# Altium PCB HEXIWEAR_MainBoard_v106.PcbDoc (part 1 of 3) (continued)
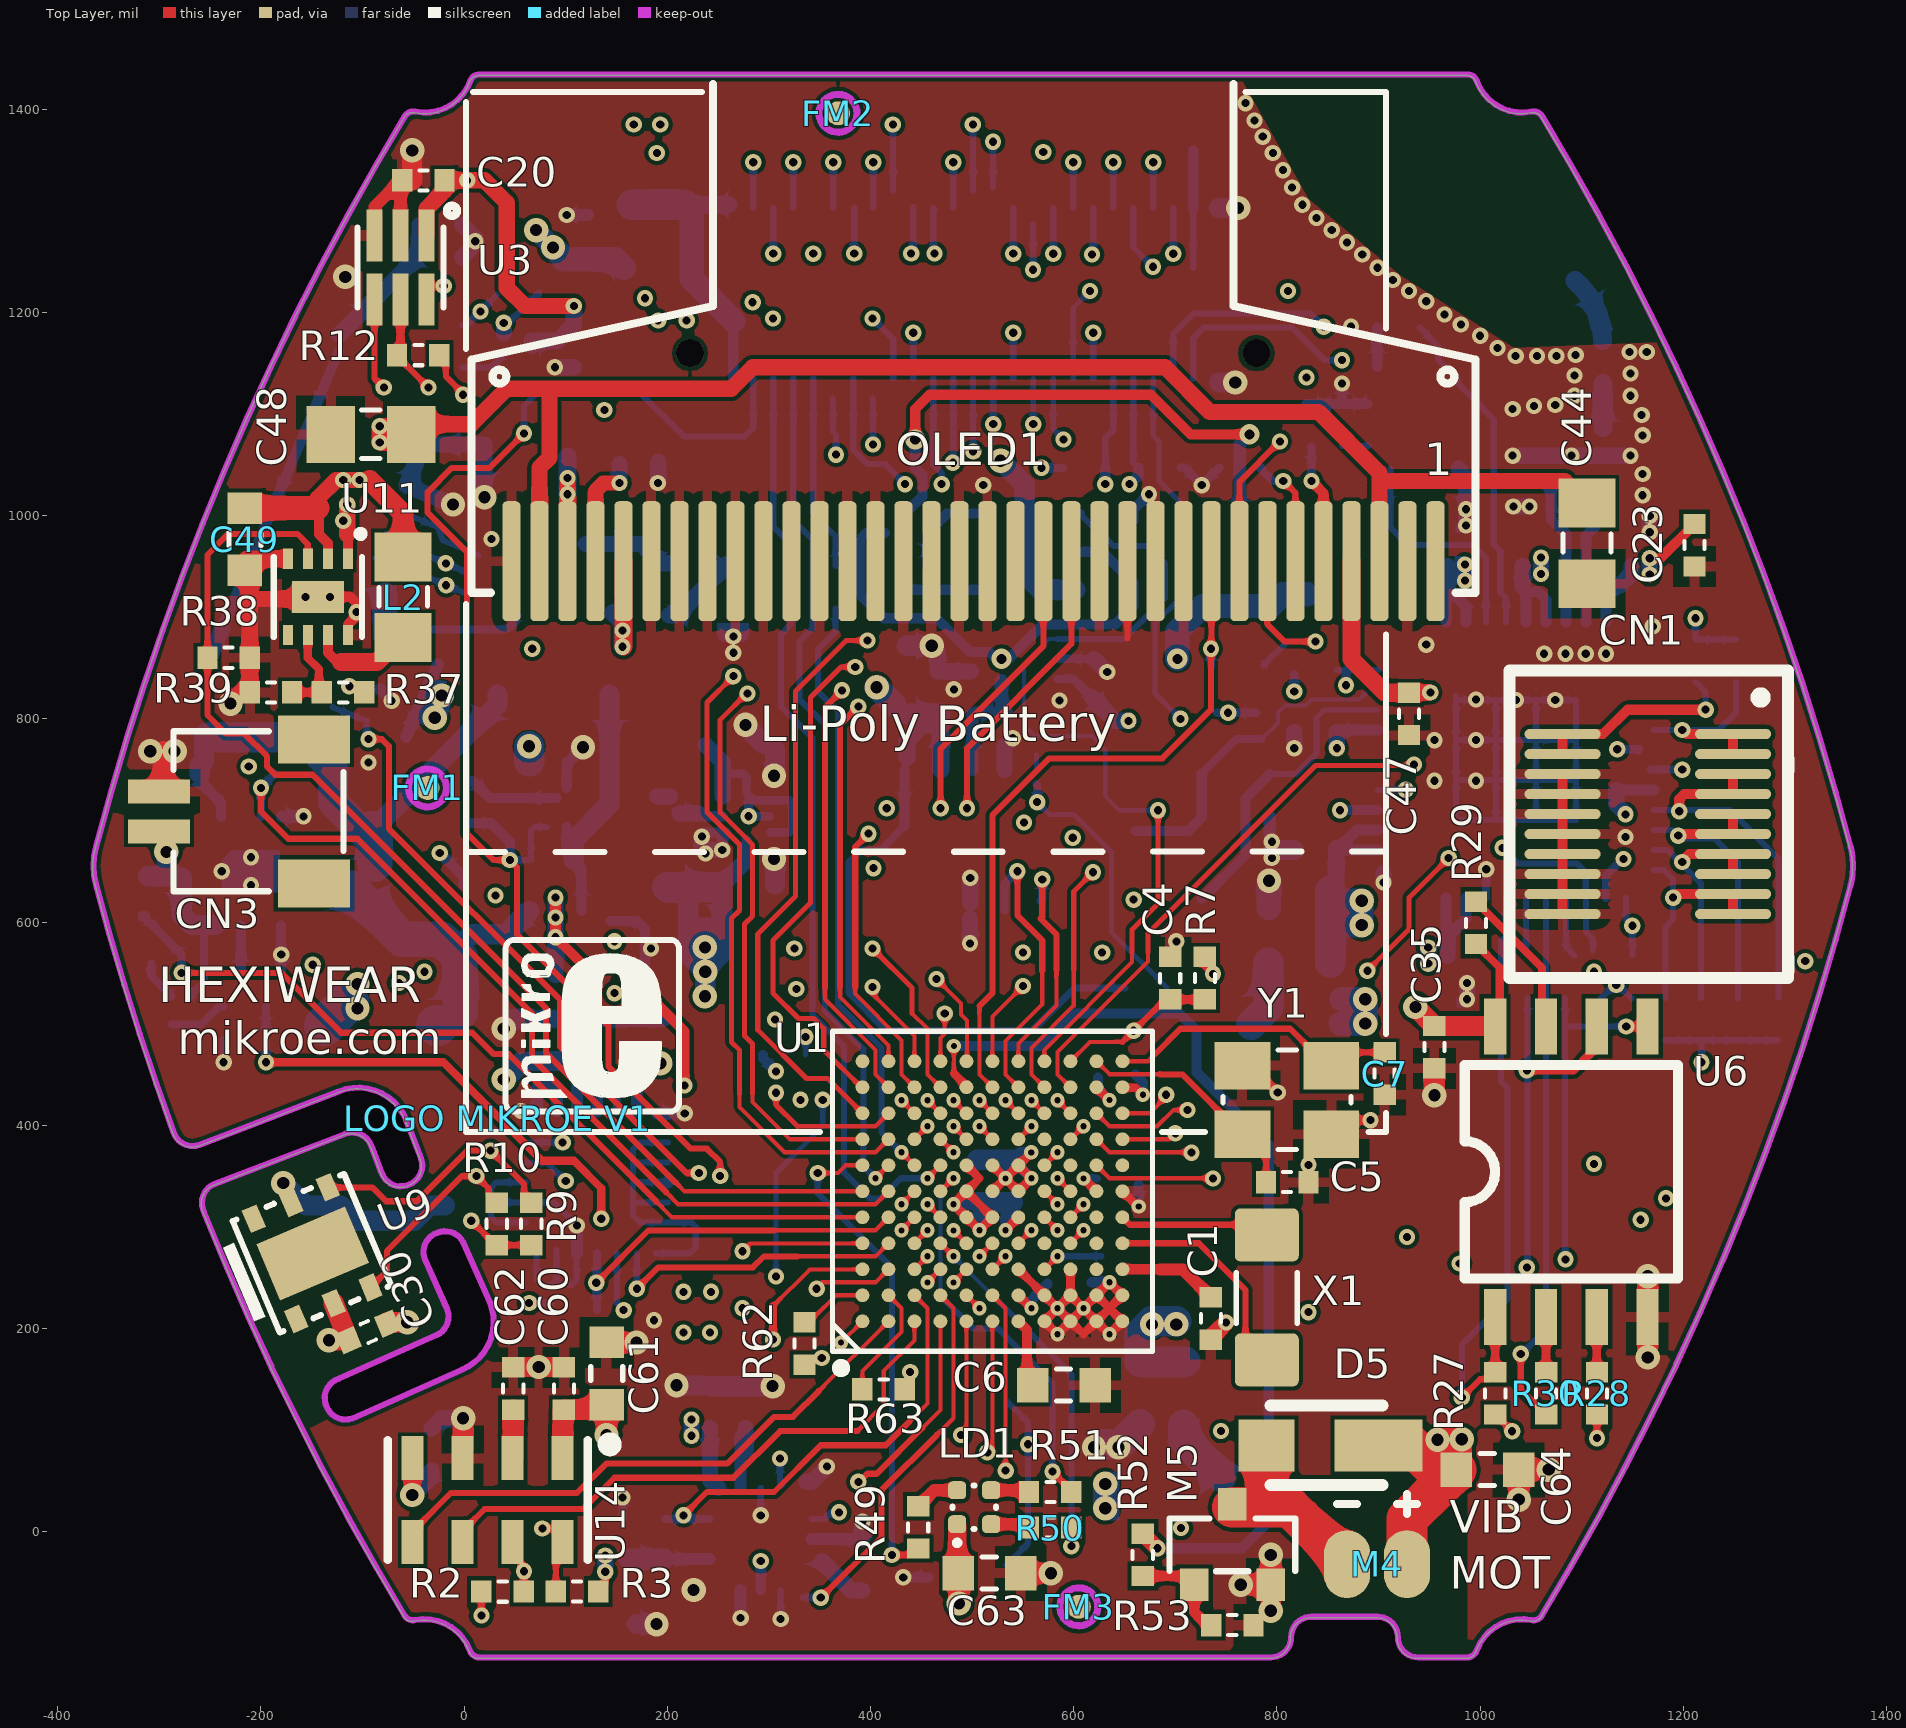
[diagram p0: Top Layer view]
## Footprints (in the part's own frame and the unit in brackets; to place one, negate y for a bottom-side part, rotate by r counter-clockwise, add the part's x,y. Pads: shape width x height; smd on the part's side, far side on the other; paste and mask are expansions set on the pad)
"1X2 SMD" [mm] "1X2 SMD"
  oval 1.15x1.7 smd paste-1.27: 1(-1.5,0) 2(0,0)
  silkscreen extent -1.75,-1.75 0.25,-1.25
0402 [mil] "0402"
  rect 20x22 smd: 1(-20.67,0) 2(21,0)
  silkscreen extent -4,-10 4,10, body extent -21,-11 20,11, height 16
0603 [mil] "0603"
  rect 31x34 smd: 1(-30.5,0) 2(31,0)
  silkscreen extent -7,-16 7,16, body extent -31,-16 32,16, height 31
0805 [mil] "0805_MICROMELF_COMBO"
  rect 48x56 smd: 1(-39.37,0) 2(40,0)
  silkscreen extent -9,-24 9,24, body extent -39,-25 40,25, height 31
1206_ANTENNA [mil] "1206_ANTENNA"
  rrect20% 52x63 smd: 1(-61.02,0) 2(62,0)
  silkscreen extent -25,-30 25,30, body extent -65,-33 65,33, height 55
1206_MINIMELF_COMBO [mil] "1206_MINIMELF_COMBO"
  rrect20% 52x63 smd: 1(-61.02,0) 2(62,0)
  silkscreen extent -25,-30 25,30
2450BL15B100 [mm] "Chip Array, Flat, 6-Leads, Pitch 0.65mm,  Body 2.00x1.25mm,  IPC Medium Density"
  rect 0.9x0.4 smd: 1(-0.776,0.65) 2(-0.776,0) 3(-0.776,-0.65) 4(0.776,-0.65) 5(0.776,0) 6(0.776,0.65)
  silkscreen extent -1.68,-1.08 0.68,1.22, body extent -0.68,-1.05 0.68,1.05, height 0.8
ABM8G [mil] "ABM8G"
  rect 55x47 smd: 1(-43.5,-33.5) 2(44,-33.5) 3(44,34) 4(-43.5,34)
  silkscreen extent -63,-49 63,49
BGA121-0.65 [mm] "BGA100-0.8"
  rrect100% 0.345x0.345 smd: A1(-3.25,3.25) A2(-2.6,3.249) A3(-1.951,3.249) A4(-1.301,3.249) A5(-0.65,3.25) A6(0,3.249) A7(0.65,3.25) A8(1.3,3.249) A9(1.95,3.249) A10(2.6,3.249) A11(3.25,3.249) B1(-3.25,2.6) B2(-2.6,2.599) B3(-1.951,2.599) B4(-1.301,2.6) B5(-0.65,2.6) B6(0,2.599) B7(0.65,2.6) B8(1.3,2.6) B9(1.95,2.599) B10(2.6,2.599) B11(3.25,2.6) C1(-3.25,1.95) C2(-2.6,1.95) C3(-1.951,1.95) C4(-1.301,1.95) C5(-0.65,1.95) C6(0,1.95) C7(0.65,1.95) C8(1.3,1.95) C9(1.95,1.95) C10(2.6,1.95) C11(3.25,1.95) D1(-3.25,1.301) D2(-2.6,1.3) D3(-1.951,1.3) D4(-1.301,1.3) D5(-0.65,1.301) D6(0,1.3) D7(0.65,1.301) D8(1.3,1.3) D9(1.95,1.3) D10(2.6,1.3) D11(3.25,1.3) E1(-3.25,0.651) E2(-2.6,0.65) E3(-1.951,0.65) E4(-1.301,0.65) E5(-0.65,0.651) E6(0,0.65) E7(0.65,0.651) E8(1.3,0.65) E9(1.95,0.65) E10(2.6,0.65) E11(3.25,0.65) F1(-3.25,0.001) F2(-2.6,0) F3(-1.951,0) F4(-1.301,0.001) F5(-0.65,0.001) F6(0,0) F7(0.65,0.001) F8(1.3,0.001) F9(1.95,0) F10(2.6,0) F11(3.25,0.001) G1(-3.25,-0.649) G2(-2.6,-0.649) G3(-1.951,-0.649) G4(-1.301,-0.649) G5(-0.65,-0.649) G6(0,-0.649) G7(0.65,-0.649) G8(1.3,-0.649) G9(1.95,-0.649) G10(2.6,-0.649) G11(3.25,-0.649) H1(-3.25,-1.299) H2(-2.6,-1.299) H3(-1.951,-1.3) H4(-1.301,-1.299) H5(-0.65,-1.299) H6(0,-1.299) H7(0.65,-1.299) H8(1.3,-1.299) H9(1.95,-1.3) H10(2.6,-1.299) H11(3.25,-1.299) J1(-3.25,-1.949) J2(-2.6,-1.95) J3(-1.951,-1.95) J4(-1.301,-1.95) J5(-0.65,-1.949) J6(0,-1.95) J7(0.65,-1.949) J8(1.3,-1.95) J9(1.95,-1.95) J10(2.6,-1.95) J11(3.25,-1.95) K1(-3.25,-2.599) K2(-2.6,-2.6) K3(-1.951,-2.6) K4(-1.301,-2.599) K5(-0.65,-2.599) K6(0,-2.6) K7(0.65,-2.599) K8(1.3,-2.599) K9(1.95,-2.6) K10(2.6,-2.6) K11(3.25,-2.599) L1(-3.25,-3.249) L2(-2.6,-3.249) L3(-1.951,-3.249) L4(-1.301,-3.249) L5(-0.65,-3.249) L6(0,-3.249) L7(0.65,-3.249) L8(1.3,-3.249) L9(1.95,-3.249) L10(2.6,-3.249) L11(3.25,-3.249)
  silkscreen extent -4,-4 4,4
CK-KMR2 [mil] "CK-KMR2"
  rect 40x36 smd: P1(-31.5,81) P2(-31.5,-80.71) P3(32,81) P4(32,-80.71)
  silkscreen extent -55,-83 56,83
"CONN_2X10PIN - NO HOLE" [mil]
  oval 75x10 smd: 1(0,0) 2(0,-19.69) 3(0,-39.37) 4(0,-59.06) 5(0,-78.74) 6(0,-98.43) 7(0,-118.11) 8(0,-137.8) 9(0,-157.48) 10(0,-177.17) 11(-167.8,-177.17) 12(-167.8,-157.48) 13(-167.8,-137.8) 14(-167.8,-118.11) 15(-167.8,-98.43) 16(-167.8,-78.74) 17(-167.8,-59.06) 18(-167.8,-39.37) 19(-167.8,-19.69) 20(-167.8,0)
  silkscreen extent -220,-240 54,63
CONN_2X25PIN [mil]
  oval 75x10 smd: 1(0,0) 2(0,-19.69) 3(0,-39.37) 4(0,-59.06) 5(0,-78.74) 6(0,-98.43) 7(0,-118.11) 8(0,-137.8) 9(0,-157.48) 10(0,-177.17) 11(0,-196.85) 12(0,-216.54) 13(0,-236.22) 14(0,-255.91) 15(0,-275.59) 16(0,-295.28) 17(0,-314.96) 18(0,-334.65) 19(0,-354.33) 20(0,-374.02) 21(0,-393.7) 22(0,-413.39) 23(0,-433.07) 24(0,-452.76) 25(0,-472.44) 26(-167.8,-472.44) 27(-167.8,-452.76) 28(-167.8,-433.07) 29(-167.8,-413.39) 30(-167.8,-393.7) 31(-167.8,-374.02) 32(-167.8,-354.33) 33(-167.8,-334.65) 34(-167.8,-314.96) 35(-167.8,-295.28) 36(-167.8,-275.59) 37(-167.8,-255.91) 38(-167.8,-236.22) 39(-167.8,-216.54) 40(-167.8,-196.85) 41(-167.8,-177.17) 42(-167.8,-157.48) 43(-167.8,-137.8) 44(-167.8,-118.11) 45(-167.8,-98.43) 46(-167.8,-78.74) 47(-167.8,-59.06) 48(-167.8,-39.37) 49(-167.8,-19.69) 50(-167.8,0)
  round 27.56 hole 27.56 unplated: P(-25,-515) P(-25,42.56)
  silkscreen extent -220,-535 54,63
"FIDUCIAL MARK 0.6MM" [mm]
  round 0.6 smd paste-0.6 mask+0.4: 0(0,0)
  Top Layer keep-out circle w0.178: c0,0 r0.475
HTU21D [mil] "HTU21D"
  rect 24x16 smd: 1(54,-39.37) 2(54,0) 3(54,40) 4(-53.15,40) 5(-53.15,0) 6(-53.15,-39.37)
  rect 60x95 smd paste-80: PAD(0,0)
  silkscreen extent -59,-59 60,79, body extent -59,-59 60,60, height 36
LED_RGB_1x1 [mm]
  rrect50% 0.45x0.45 smd: 1(-0.425,0.425) 2(0.425,0.425) 3(0.425,-0.425) 4(-0.425,-0.425)
  silkscreen extent -0.93,-0.55 0.55,0.55, body extent -0.5,-0.5 0.5,0.5, height 0.33
"LOGO MIKROE V1" [mil]
  silkscreen extent 6,5 180,177
"LOGO RECYCLE V1" [mil]
  silkscreen extent 5,5 182,243
"LOGO ROHS V1" [mil]
  silkscreen extent 9,9 272,152
MAPLGA48_7X7_0.5 [mm] "Quad Flat No-Lead (QFN), 0.50 mm pitch; square, 12 pin X 12 pin, 7.00 mm L X 7.00 mm W X 0.98 mm H body"
  rrect52% 0.81x0.27 smd: 1(-3.45,2.75) 2(-3.45,2.25) 3(-3.45,1.75) 4(-3.45,1.25) 5(-3.45,0.75) 6(-3.45,0.25) 7(-3.45,-0.25) 8(-3.45,-0.75) 9(-3.45,-1.25) 10(-3.45,-1.75) 11(-3.45,-2.25) 12(-3.45,-2.75) 25(3.45,-2.75) 26(3.45,-2.25) 27(3.45,-1.75) 28(3.45,-1.25) 29(3.45,-0.75) 30(3.45,-0.25) 31(3.45,0.25) 32(3.45,0.75) 33(3.45,1.25) 34(3.45,1.75) 35(3.45,2.25) 36(3.45,2.75)
  rrect52% 0.27x0.81 smd: 13(-2.75,-3.45) 14(-2.25,-3.45) 15(-1.75,-3.45) 16(-1.25,-3.45) 17(-0.75,-3.45) 18(-0.25,-3.45) 19(0.25,-3.45) 20(0.75,-3.45) 21(1.25,-3.45) 22(1.75,-3.45) 23(2.25,-3.45) 24(2.75,-3.45) 37(2.75,3.45) 38(2.25,3.45) 39(1.75,3.45) 40(1.25,3.45) 41(0.75,3.45) 42(0.25,3.45) 43(-0.25,3.45) 44(-0.75,3.45) 45(-1.25,3.45) 46(-1.75,3.45) 47(-2.25,3.45) 48(-2.75,3.45)
  rrect50% 0.4x0.4 smd: GND1(-1.5,1.5) GND2(-0.5,1.5) GND3(0.5,1.5) GND4(1.5,1.5) GND5(-1.5,0.5) GND6(-0.5,0.5) GND7(0.5,0.5) GND8(1.5,0.5) GND9(-1.5,-0.5) GND10(-0.5,-0.5) GND11(0.5,-0.5) GND12(1.5,-0.5) GND13(-1.5,-1.5) GND14(-0.5,-1.5) GND15(0.5,-1.5) GND16(1.5,-1.5)
  silkscreen extent -4.27,-3.5 3.5,3.5, body extent -3.51,-3.51 3.51,3.51, height 0.78
MLF8_2X2_0.5 [mm] "MLF8_2x2_0.5"
  rect 1.3x0.8 smd paste-0.076: 0(0.75,0.954)
  rect 0.25x0.508 smd: 1(0,0) 2(0.5,0) 3(1,0) 4(1.5,0) 5(1.5,1.908) 6(1,1.908) 7(0.5,1.908) 8(0,1.908)
  silkscreen extent -0.41,-0.71 1.85,1.95, body extent -0.25,-0.06 1.75,1.96, height 0.85
MLPQ-UT8_1.5x1.5 [mm] "8-MLPQ-UT (1.5x1.5)"
  rrect48% 0.43x0.25 smd: 1(-0.59,0.4) 2(-0.59,0) 3(-0.59,-0.4) 5(0.59,-0.4) 6(0.59,0) 7(0.59,0.4)
  rrect48% 0.25x0.43 smd: 4(0,-0.59) 8(0,0.59)
  silkscreen extent -1.02,-0.75 0.75,0.99, body extent -0.76,-0.76 0.76,0.76, height 0.66
"MPL3115A- 8pin" [mm]
  rect 1.1x0.55 smd: 1(-1.051,1.875) 2(-1.051,0.625) 3(-1.051,-0.625) 4(-1.051,-1.875) 5(1.051,-1.875) 6(1.051,-0.625) 7(1.051,0.625) 8(1.051,1.875)
  silkscreen extent -1.55,-2.5 1.5,3.2, body extent -1.5,-2.5 1.5,2.5, height 1.12
"OESIP-14 ADAPTER" [mil]
  rect 44x23.62 smd: 1(10.19,7.48) 2(10.19,-26.52) 3(10.19,-60.52) 4(10.19,-94.51) 5(10.19,-128.51) 6(10.19,-162.5) 7(10.19,-196.5) 8(148.81,-196.5) 9(148.81,-162.5) 10(148.81,-128.51) 11(148.81,-94.51) 12(148.81,-60.52) 13(148.81,-26.52) 14(148.81,7.48)
  silkscreen extent 4,-227 155,38
PSP27801 [mm]
  rrect50% 0.45x3 smd paste-2.54: 1(1.356,10.211) 2(2.056,10.211) 3(2.756,10.211) 4(3.456,10.211) 5(4.156,10.211) 6(4.856,10.211) 7(5.556,10.211) 8(6.256,10.211) 9(6.956,10.211) 10(7.656,10.211) 11(8.356,10.211) 12(9.056,10.211) 13(9.756,10.211) 14(10.456,10.211) 15(11.156,10.211) 16(11.856,10.211) 17(12.556,10.211) 18(13.256,10.211) 19(13.956,10.211) 20(14.656,10.211) 21(15.356,10.211) 22(16.056,10.211) 23(16.756,10.211) 24(17.456,10.211) 25(18.156,10.211) 26(18.856,10.211) 27(19.556,10.211) 28(20.256,10.211) 29(20.956,10.211) 30(21.656,10.211) 31(22.356,10.211) 32(23.056,10.211) 33(23.756,10.211) 34(24.456,10.211)
  silkscreen extent 0.36,5.42 25.46,11
QFN16_3X3_0.5 [mm]
  rrect50% 0.8x0.3 smd: 1(-1.275,1) 2(-1.275,0.5) 3(-1.275,0) 4(-1.275,-0.5) 5(-1.275,-1) 9(1.275,-1) 10(1.275,-0.5) 11(1.275,0) 12(1.275,0.5) 13(1.275,1)
  rrect50% 0.3x0.8 smd: 6(-0.5,-1.275) 7(0,-1.275) 8(0.5,-1.275) 14(0.5,1.275) 15(0,1.275) 16(-0.5,1.275)
  silkscreen extent -2.13,-1.5 1.5,1.5, body extent -1.52,-1.52 1.52,1.52, height 1.1
QFN24_4X4_0.5 [mm]
  rrect50% 0.8x0.3 smd: 1(-1.775,1.5) 2(-1.775,1) 3(-1.775,0.5) 4(-1.775,0) 5(-1.775,-0.5) 6(-1.775,-1) 7(-1.775,-1.5) 13(1.775,-1.5) 14(1.775,-1) 15(1.775,-0.5) 16(1.775,0) 17(1.775,0.5) 18(1.775,1) 19(1.775,1.5)
  rrect50% 0.3x0.8 smd: 8(-1,-1.775) 9(-0.5,-1.775) 10(0,-1.775) 11(0.5,-1.775) 12(1,-1.775) 20(1,1.775) 21(0.5,1.775) 22(0,1.775) 23(-0.5,1.775) 24(-1,1.775)
  silkscreen extent -2.63,-2 2,2, body extent -2.02,-2.02 2.02,2.02, height 1.1
SC-82A [mm]
  rect 0.6x0.9 smd: 1(1.3,0) 2(1.3,1.6) 3(0,1.6) 4(0,0)
  silkscreen extent -0.35,-0.38 2.01,1.43, body extent -0.45,-0.3 1.75,1.9, height 1
SM02B-SRSS-TB(LF)(SN) [mm] "SM02B-SRSS-TB(LF)(SN)"
  rect 1.2x1.8 smd: 0(-1.8,-1.938) 0(1.8,-1.937)
  rect 0.6x1.55 smd: 1(-0.5,1.938) 2(0.5,1.938)
  silkscreen extent -2,-2.67 2,1.58, body extent -1.99,-2.66 1.99,2.32, height 3.03
"SO-8 200MIL WIDE" [mil]
  rect 55x22 smd: 1(0,0) 2(0,-50) 3(0,-100) 4(0,-150) 5(286,-150) 6(286,-100) 7(286,-50) 8(286,0)
  silkscreen extent 38,-180 248,30, body extent -14,-178 300,28, height 102
SOD123W [mm]
  rect 1.4x1.3 smd: 1(2.8,0)
  rect 2.2x1.3 smd: 2(0,0)
  silkscreen extent -0.1,-0.99 2.7,0.99, body extent -0.8,-0.95 3.2,0.95, height 1.1
SOT23 [mil] "SOT23"
  rect 28x32 smd: 1(-37.4,-39.37) 2(38,-39.37) 3(0,40)
  silkscreen extent -62,-26 62,26, body extent -57,-46 57,46, height 39
"SOT23-6 V2" [mm]
  rect 0.55x0.8 smd: 1(0,0) 2(0.953,0) 3(1.905,0) 4(1.905,2.45) 5(0.953,2.45) 6(0,2.45)
  silkscreen extent -0.55,0.52 2.45,1.93, body extent -0.55,-0.28 2.45,2.72, height 1.46
SOT323 [mm]
  rect 0.6x0.8 smd: 1(0,0) 2(1.3,0) 3(0.65,1.6)
  silkscreen extent -0.35,0.18 1.65,1.43, body extent -0.45,-0.32 1.75,1.92, height 1.1
SOT-553 [mm] "Small Outline Transistor (SOT23), 0.50 mm pitch; 5 pin, 1.60 mm L X 1.20 mm W X 0.60 mm H body"
  rrect54% 0.26x0.457 smd: 1(-0.5,-0.694) 2(0,-0.694) 3(0.5,-0.694) 4(0.5,0.694) 5(-0.5,0.694)
  silkscreen extent -0.83,-1.28 0.83,0.63, body extent -0.8,-0.8 0.8,0.8, height 0.5
TSL2561FN [mm]
  rect 1.3x0.4 smd: 1(-0.8,0.65) 2(-0.8,0) 3(-0.8,-0.65) 4(0.8,-0.65) 5(0.8,0) 6(0.8,0.65)
  silkscreen extent -1.54,-1.08 1,1.41
UDFN8_2X3_0.5 [mm] "Small Outline No-Lead (SON with Tab), 0.50 mm pitch; 8 pin, 2.00 mm L X 3.00 mm W X 0.65 mm H body"
  rect 0.95x1.05 smd paste-1.05 mask+0: 0(0,0)
  rrect54% 0.99x0.26 smd: 1(-1.36,0.75) 2(-1.36,0.25) 3(-1.36,-0.25) 4(-1.36,-0.75) 5(1.36,-0.75) 6(1.36,-0.25) 7(1.36,0.25) 8(1.36,0.75)
  Top Layer region: -0.525,-0.725 -0.525,0.475 -0.275,0.725 0.525,0.725 0.525,-0.725 -0.525,-0.725
  silkscreen extent -1.96,-1.09 1.38,1.22, body extent -1.5,-1 1.5,1, height 0.65
UFDFN-4 [mm] "Supplier Device Package: 4-TDFN (1.2x1.6)"
  rrect50% 0.3x0.55 smd: 1(-0.25,-0.725) 2(0.25,-0.725) 3(0.25,0.725) 4(-0.25,0.725)
  rrect50% 0.86x0.5 smd: 5(0,0)
  silkscreen extent -0.71,-1.27 0.63,0.82, body extent -0.63,-0.82 0.63,0.82, height 0.6
"USB_MICRO_SMD V2" [mil] "USB_MICRO_SMD"
  rect 16x56 smd: 1(-51.18,113) 2(-25.59,113) 3(0,113) 4(26,113) 5(52,113)
  rect 91x47.44 smd: SHIELD(-147.64,0) SHIELD(148,0)
  rect 71x47.44 smd: SHIELD(-45.28,0) SHIELD(46,0)
  silkscreen extent -148,50 148,113
X2-DFN1006-3 [mm]
  rect 0.4x0.25 smd: 1(-0.35,0.225) 2(-0.35,-0.225)
  rect 0.4x0.7 smd: 3(0.35,0)
  silkscreen extent -0.76,-0.55 0.76,0.55, body extent -0.53,-0.33 0.53,0.33, height 0.4
X2-DFN1006-3_V2 [mm]
  rect 0.4x0.25 smd: 1(-0.35,0.225) 2(-0.35,-0.225) 3(0.35,-0.225) 3(0.35,0.225)
  silkscreen extent -0.76,-0.55 0.76,0.55, body extent -0.53,-0.33 0.53,0.33, height 0.4
XFDFN-6 [mm]
  rrect50% 0.25x0.4 smd: 1(0.5,0.725) 2(0,0.725) 3(-0.5,0.725) 4(-0.5,-0.725) 5(0,-0.725) 6(0.5,-0.725)
  rrect20% 1.3x0.8 smd paste-0.9: 7(0,0)
  silkscreen extent 0.43,1.23 0.57,1.36, body extent -0.85,-0.85 0.85,0.85, height 0.5
XTAL_3.2x2.5 [mm]
  rect 1.4x1.2 smd: 1(-1.1,-0.85) 2(1.1,-0.85) 3(1.1,0.85) 4(-1.1,0.85)
  silkscreen extent -1.7,-1.94 1.6,1.25, body extent -1.6,-1.27 1.6,1.24, height 0.7

## Part data
A1: library part ANTENNA, "Antenova Rufa Left 2.4GHZ"
BTN1: library part PUSHBUTTONKMR2XX, "KMR221NG LFS"
C1 C3 C4 C5 C6 C7 C10 C11 C12 C13 C14 C15 C16 C17 C18 C19 C20 C21 C22 C23 C24 C25 C26 C27 C28 C32 C33 C36 C37 C38 C39 C40 C41 C42 C50 C51 C52 C53 C54 C55 C56 C57 C58 C63 C64 C65 C75 C76: library part "CAP NP", "Capacitor"
C8 C9 C29 C30 C31 C34 C35 C44 C45 C46 C47 C48 C49 C59 C60 C61 C62 C71 C72 C73: library part "CAP NP"
CN2: library part "USB MINI-AB"
CN3: library part "BATTERY CONN", "Li-Ion Battery Connector"
CONN1: "DF12(3.0)-50DS-0.5V(86)"
D1 D2 D3 D5: library part "DIODE SCHOTTKY", "Schottky Diode"
D7: "TVS DIODE 5.5VWM 12VC 6HXSON"
FM1 FM2 FM3 FM4 FM5 FM6: "Fiducial Mark"
L2 L4: library part INDUCTOR, "MLZ2012M100WT000"
L3: library part INDUCTOR, "LQM21PN1R0MC0D"
LD1: library part "LED RGB CA", "LED RGB COMMON ANODE"
M1: library part DMP2305U, "P-CHANNEL MOSFET"
M2 M3: library part DMP2305U, "20V P-CHANNEL ENHANC  EMENT MODE MOSFET"
M4: library part "PICO VIBE", "C1026B002F"
M5: "N-Channel Enhancement Mode MOSFET - SOT23"
OLED1: "Passive Matrix OLED (Color) 96x96px"
R1 R2 R3 R4 R5 R7 R8 R9 R10 R11 R12 R27 R28 R29 R31 R32 R33 R36 R37 R38 R39 R40 R41 R42 R43 R44 R45 R46 R47 R48 R54 R71 R72: library part RES, "Resistor"
R6 R13 R14 R15 R16 R17 R18 R19 R20 R21 R22 R23 R24 R25 R26 R30 R34 R35 R49 R50 R51 R52 R53 R55 R58 R59 R62 R63 R66 R67: library part RES
U2: library part FXOS8700CQ,, "6-Axis Sensor with  Integrated Linear Accelerometer  and Magnetometer"
U3: "Ambient Light Sensor"
U5: "2450BL15B100"
U6: library part 25P80, "SPI serial FLASH 64Mbit"
U7: "3-Axis Digital Angular Rate  Gyroscope"
U8: library part MAX30100_adapter, "Pulse Oximeter and Heart-Rate Sensor IC"
U9: "Humidity & Temperature sensor"
U10: "3.5MHz, 500mA Synchronous  Step Down DC-DC Regulator"
U11: "PWM Boost Regulator   with Internal Schotty Diode"
U12: "IC REG LDO 1.8V 0.2A ESV"
U13: "High Input Voltage 600mA   Charger for Single-cell Li-Ion   Batteries"
U14: "precision altimeter"
U15: "1 A Slew Rate Controlled Load Switch with Reverse Blocking"
U16: "600mA, 1.2MHz, Micropower Synchronous Step-Up Converter"
X1 X3: library part CRYSTAL, "Crystal Oscillator"
X2: library part FA-20H, "<b>MHz RANGE CRYSTAL UNIT</b> <p> / Source: Epson Toyocom"
Y1: library part CRYSTAL_WITH_GROUNDABM8G, "CX2520DB16000D0GEJCC"

## Free pads (board coordinates)
  round 23.62 on Mech7: 1(-36,732) 1(368,1396) 1(605,-74)

## Via types
v1: diameter 16, hole 8, Top Layer to Bottom Layer, tented both sides, 352 vias
v2: diameter 24, hole 12, Top Layer to Bottom Layer, tented both sides, 67 vias
v3: diameter 14, hole 6, Top Layer to Bottom Layer, tented both sides, 55 vias
v4: diameter 20, hole 10, Top Layer to Bottom Layer, tented both sides, 4 vias
v5: diameter 16, hole 8, Top Layer to Bottom Layer, tented bottom, 2 vias

## Nets (pads, with @x,y where several pads share a name; then routed paths per layer and width w, separated by ;. In a path a pad name is that pad's centre, name@x,y a point inside that pad or via, vN(x,y) a via of type N, cw(c..) or ccw(c..) an arc to the next point about the centre after c; other vN are vias at no path point)
ADC0_SE12: CONN1.11 U1.G9 | length 762.1
  Top Layer w4: v3(532.75,424.55) U1.G9@545.57,411.76
  Signal Layer 2 w5: v1(470,1031) 470,931 509,892 509,754 533,730 533,664 528,659 528,640 532.75,635.25 v3(532.75,424.55)
  Bottom Layer w6: CONN1.11@461.72,1135 461.72,1050.06 470,1041.79 v1(470,1031)
ADC0_SE13: CONN1.16 U1.G8 | length 825.1
  Top Layer w4: U1.G8@545.55,386.18 v3(558.33,399)
  Signal Layer 2 w4: 545.55,438 545.55,411.78 v3(558.33,399)
  Signal Layer 2 w5: 545.55,438 545.55,508.55 582,545 582,609 601,628 601,656 582,675 582,692 594,704 594,781.38 565,810.38 565,833.23 574,842.23 574,929 550,953 550,1079.87 v1(560.15,1090.02)
  Bottom Layer w5: v1(560.15,1090.02) CONN1.16@560.15,1135
ADC1_SE12: CONN1.48 U1.F11 | length 1192.9
  Top Layer w4: U1.F11@519.98,462.96 519.99,507.02 v1(550,537)
  Signal Layer 1 w5: v1(306,504) 444,504 456.5,516.5 456.5,516.83 466.67,527 540,527 v1(550,537)
  Signal Layer 2 w5: v1(304.24,1257.82) 264,1217.58 264,994 245,975 245,715 284,676 284,648 297.5,634.5 297.5,512.5 v1(306,504)
  Bottom Layer w6: v1(304.24,1257.82) CONN1.48@304.24,1302.8
BAT_SENS: C56.1 R42.2 R43.1 U1.H3 U4.17 | length 1958
  Top Layer w4: U1.H3@571.17,258.2 v3(583.95,271.02)
  Top Layer w8: v1(-195,462) -20.28,462 76.72,365 108,365 135,338 v1(135,308)
  Signal Layer 1 w4: 403,283.81 571.15,283.81 v3(583.95,271.02)
  Signal Layer 1 w6: v1(135,308) 143,300 386.81,300 403,283.81 ; v3(583.95,271.02) 590.97,264 648,264 670,242 958,242 v1(980,264)
  Signal Layer 2 w6: v1(926.83,730.25) 926.83,678.17 1020,585 1020,304 v1(980,264)
  Bottom Layer w6: v3(583.95,271.02) C56.1@627.35,271.02 ; U4.17@899.51,730.01 v1@926.83,730
  Bottom Layer w8: v1(-195,462) R42.2@-195,517
BAT_SW: BTN1.P3 BTN1.P4 C3.1 CONN1.2 R36.2 U15.4 | length 2033.8
  Top Layer w6: v1@57,1079 25,1047 -12,1047 -36,1023 -36,1003 3,964 3,687 29,661 v1(45,661) 52,654 52,588 142,498 142,458 223,377 239,377 252,364 v1(252,350)
  Signal Layer 2 w6: v1(252,350) 327,275 327,230 342,215 480,215 555,140 v1(555,86)
  Bottom Layer w6: v1(45,661) R36.2@66,661 66,690 69.46,693.46 U15.4@81.16,693.46 ; v1(59,1081) 59,1108 72,1121 173,1121 216,1078 276,1078 284.56,1086.56 CONN1.2@284.56,1135 ; BTN1.P3@533.8,-33 555,-11.8 v1(555,86) 555,107.51 BTN1.P4@533.8,128.71
  Bottom Layer w10: C3.1@8,697.33 26.67,697.33 45,679 v1(45,661)
BLE_TSI0_CH0: CN1.19 CN1.20 R14.1 U4.40 | length 252.7
  Top Layer w10: CN1.19@1081.2,765.31 CN1.20@1081.2,785 1121,785 1145,809 v1(1222,809)
  Bottom Layer w6: U4.40@1171.17,808.75 v1@1222,808.75 ; R14.1@1212,836.33 1222,826.33 v1(1222,809)
BLE_TSI0_CH1: CN1.1 CN1.2 R15.1 U4.41 | length 189.5
  Top Layer w10: v1(1199,789) 1203,785 CN1.1@1249,785 CN1.2@1249,765.31
  Bottom Layer w6: U4.41@1171.17,789.07 1235.07,789.07 1252,806 R15.1@1252,836.33
BLE_TSI0_CH4: CN1.3 CN1.4 R16.2 U4.45 | length 365.7
  Top Layer w10: v1(1196,709) 1196,721 1200.94,725.94 CN1.4@1249,725.94 CN1.3@1249,745.63
  Bottom Layer w6: U4.45@1171.17,710.33 1245.67,710.33 1293.54,662.46 R16.2@1293.54,525.66
BLE_TSI0_CH5: CN1.5 CN1.6 R17.2 U4.46 | length 304.3
  Top Layer w10: v1(1195,685) 1196.57,686.57 CN1.6@1249,686.57 CN1.5@1249,706.26
  Bottom Layer w6: U4.46@1171.17,690.64 1189.36,690.64 v1(1195,685) 1197.56,682.44 1230.56,682.44 1254,659 R17.2@1254,525
BLE_TSI0_CH6: CN1.7 CN1.8 R18.1 U4.47 | length 245.9
  Top Layer w10: v1(1199,659) 1199,660 1205.89,666.89 CN1.7@1249,666.89 CN1.8@1249,647.2
  Bottom Layer w6: U4.47@1171.17,670.96 1184.04,670.96 1217.54,637.46 R18.1@1217.54,525.33
BLE_TSI0_CH7: CN1.9 CN1.10 R19.1 U4.48 | length 222.6
  Top Layer w10: v1(1190,624) 1193.52,627.52 CN1.9@1249,627.52 CN1.10@1249,607.83
  Bottom Layer w6: U4.48@1171.17,651.27 1180.73,651.27 1190,642 v1(1190,624) 1190,603 1182.54,595.54 R19.1@1182.54,525.33
D_N: CN2.2 D7.1 R24.1 | length 956.2
  Signal Layer 2 w4: v1@-18.68,932 cw(c-16.27,929.59) -16.27,933 0,933 cw(c-16.9,916.1) 7,916.1 7,832.22 cw(c-93,832.22) -22.29,761.51 -59.05,724.75 ccw(c-13.3,679) -78,679 ccw(c-17.64,679) -60.32,636.32 66.64,509.36 cw(c51.27,494) 73,494 73,458.73 ccw(c103.73,458.73) 82,437 152.39,366.61 cw(c126.79,341) 163,341 ccw(c236.63,341) 184.57,288.93 222.5,251 cw(c201.98,251) 216.49,236.49 v1(216,236)
  Bottom Layer w6: CN2.2@-86.98,958.29 -46.77,941.26 -43.59,942.55 -18.68,932 D7.1@-0.84,924.44
  other v1: -17.68,931.49
D_P: CN2.3 D7.2 R25.1 | length 980.1
  Signal Layer 2 w4: v1@-19,953.51 -15.71,953.51 cw(c-15.71,917.29) 9.9,942.9 cw(c-16.9,916.1) 21,916.1 21,832.22 cw(c-93,832.22) -12.39,751.61 -49.15,714.85 ccw(c-13.3,679) -64,679 ccw(c-17.64,679) -50.42,646.22 76.54,519.26 cw(c51.27,494) 87,494 87,458.73 ccw(c103.73,458.73) 91.9,446.9 162.29,376.51 cw(c126.79,341) 177,341 ccw(c236.63,341) 194.47,298.83 232.4,260.9 cw(c222.5,251) 236.5,251 ccw(c257.02,251) 242.51,236.49 v1(243,236)
  Bottom Layer w6: CN2.3@-76.98,981.85 -35.55,964.3 -33.7,959.74 -19,953.51 D7.2@6.54,942.69
  other v1: -18,953